# Altium PCB MB1166.PcbDoc (part 8 of 39) (continued)
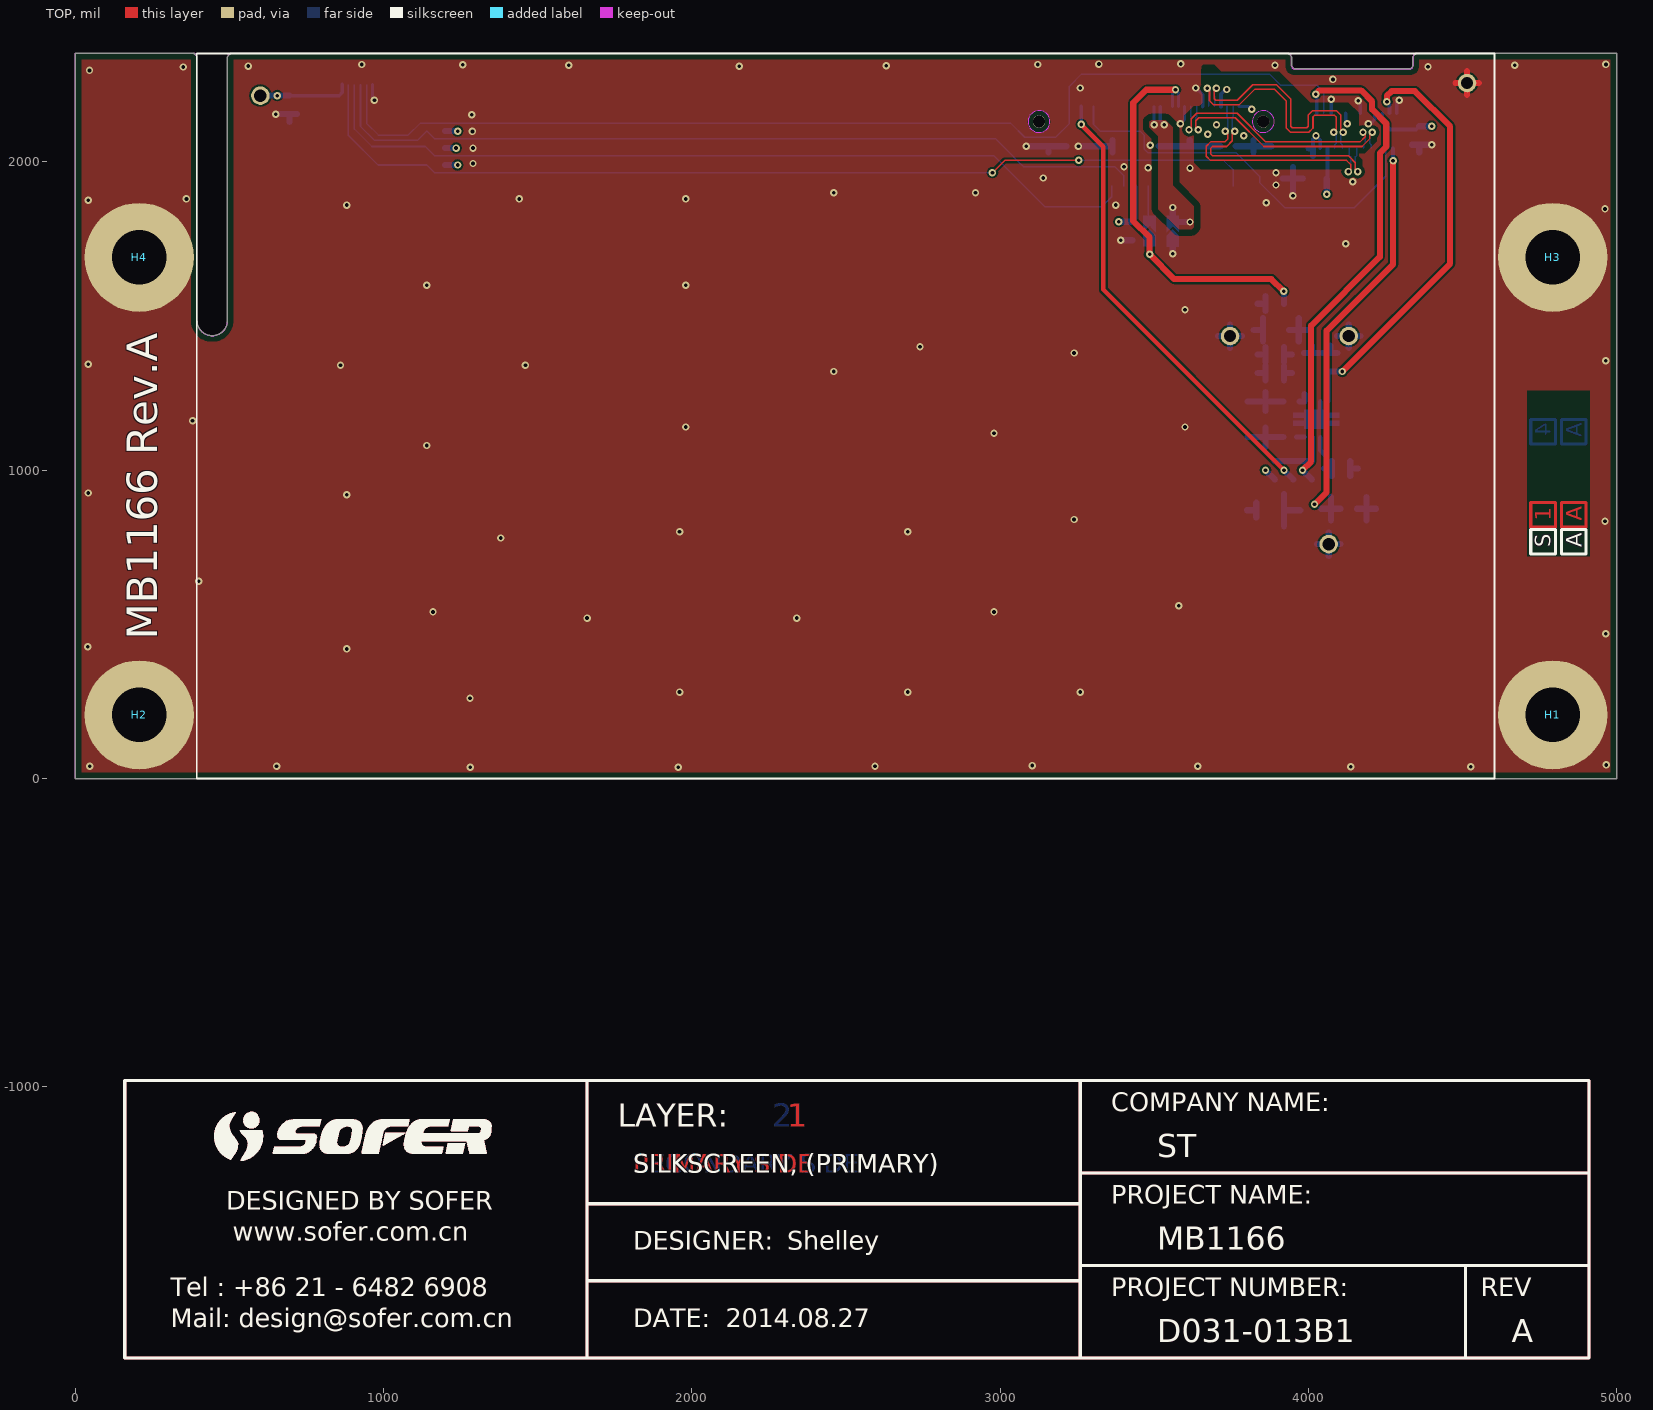
[diagram p0: TOP view]
## Nets (pads, with @x,y where several pads share a name; then routed paths per layer and width w, separated by ;. In a path a pad name is that pad's centre, name@x,y a point inside that pad or via, vN(x,y) a via of type N, cw(c..) or ccw(c..) an arc to the next point about the centre after c; other vN are vias at no path point) (continued)
; 975.03,-1111.86 975.12,-1111.81 ; 975.12,-1111.81 975.21,-1111.77 ; 975.12,-1111.81 975.21,-1111.77 ; 975.21,-1111.77 975.3,-1111.72 ; 975.21,-1111.77 975.3,-1111.72 ; 975.3,-1111.72 975.39,-1111.68 ; 975.3,-1111.72 975.39,-1111.68 ; 975.39,-1111.68 975.48,-1111.63 ; 975.39,-1111.68 975.48,-1111.63 ; 975.48,-1111.63 975.57,-1111.59 ; 975.48,-1111.63 975.57,-1111.59 ; 975.57,-1111.59 975.66,-1111.54 ; 975.57,-1111.59 975.66,-1111.54 ; 975.66,-1111.54 975.84,-1111.46 ; 975.66,-1111.54 975.84,-1111.46 ; 975.84,-1111.46 975.93,-1111.41 ; 975.84,-1111.46 975.93,-1111.41 ; 975.93,-1111.41 976.2,-1111.29 ; 975.93,-1111.41 976.2,-1111.29 ; 976.2,-1111.29 976.29,-1111.24 ; 976.2,-1111.29 976.29,-1111.24 ; 976.29,-1111.24 976.74,-1111.04 ; 976.29,-1111.24 976.74,-1111.04 ; 976.74,-1111.04 976.84,-1111 ; 976.74,-1111.04 976.84,-1111 ; 976.84,-1111 977.29,-1110.8 ; 976.84,-1111 977.29,-1110.8 ; 977.29,-1110.8 977.39,-1110.76 ; 977.29,-1110.8 977.39,-1110.76 ; 977.39,-1110.76 977.57,-1110.68 ; 977.39,-1110.76 977.57,-1110.68 ; 977.57,-1110.68 977.66,-1110.65 ; 977.57,-1110.68 977.66,-1110.65 ; 977.66,-1110.65 977.76,-1110.61 ; 977.66,-1110.65 977.76,-1110.61 ; 977.76,-1110.61 978.03,-1110.49 ; 977.76,-1110.61 978.03,-1110.49 ; 978.03,-1110.49 978.13,-1110.46 ; 978.03,-1110.49 978.13,-1110.46 ; 978.13,-1110.46 978.31,-1110.38 ; 978.13,-1110.46 978.31,-1110.38 ; 978.31,-1110.38 978.41,-1110.35 ; 978.31,-1110.38 978.41,-1110.35 ; 978.41,-1110.35 978.5,-1110.31 ; 978.41,-1110.35 978.5,-1110.31 ; 978.5,-1110.31 978.59,-1110.28 ; 978.5,-1110.31 978.59,-1110.28 ; 978.59,-1110.28 978.69,-1110.24 ; 978.59,-1110.28 978.69,-1110.24 ; 978.69,-1110.24 978.78,-1110.21 ; 978.69,-1110.24 978.78,-1110.21 ; 978.78,-1110.21 978.87,-1110.17 ; 978.78,-1110.21 978.87,-1110.17 ; 978.87,-1110.17 978.97,-1110.14 ; 978.87,-1110.17 978.97,-1110.14 ; 978.97,-1110.14 979.06,-1110.1 ; 978.97,-1110.14 979.06,-1110.1 ; 979.06,-1110.1 979.15,-1110.07 ; 979.06,-1110.1 979.15,-1110.07 ; 979.15,-1110.07 979.25,-1110.03 ; 979.15,-1110.07 979.25,-1110.03 ; 979.25,-1110.03 979.34,-1110 ; 979.25,-1110.03 979.34,-1110 ; 979.34,-1110 979.44,-1109.96 ; 979.34,-1110 979.44,-1109.96 ; 979.44,-1109.96 979.53,-1109.93 ; 979.44,-1109.96 979.53,-1109.93 ; 979.53,-1109.93 979.63,-1109.9 ; 979.53,-1109.93 979.63,-1109.9 ; 979.63,-1109.9 979.72,-1109.86 ; 979.63,-1109.9 979.72,-1109.86 ; 979.72,-1109.86 979.81,-1109.83 ; 979.72,-1109.86 979.81,-1109.83 ; 979.81,-1109.83 979.91,-1109.8 ; 979.81,-1109.83 979.91,-1109.8 ; 979.91,-1109.8 980,-1109.77 ; 979.91,-1109.8 980,-1109.77 ; 980,-1109.77 980.1,-1109.73 ; 980,-1109.77 980.1,-1109.73 ; 980.1,-1109.73 980.19,-1109.7 ; 980.1,-1109.73 980.19,-1109.7 ; 980.19,-1109.7 980.29,-1109.67 ; 980.19,-1109.7 980.29,-1109.67 ; 980.29,-1109.67 980.38,-1109.64 ; 980.29,-1109.67 980.38,-1109.64 ; 980.38,-1109.64 980.48,-1109.61 ; 980.38,-1109.64 980.48,-1109.61 ; 980.48,-1109.61 980.57,-1109.58 ; 980.48,-1109.61 980.57,-1109.58 ; 980.57,-1109.58 980.67,-1109.55 ; 980.57,-1109.58 980.67,-1109.55 ; 980.67,-1109.55 980.76,-1109.51 ; 980.67,-1109.55 980.76,-1109.51 ; 980.76,-1109.51 980.86,-1109.48 ; 980.76,-1109.51 980.86,-1109.48 ; 980.86,-1109.48 980.95,-1109.45 ; 980.86,-1109.48 980.95,-1109.45 ; 980.95,-1109.45 981.05,-1109.42 ; 980.95,-1109.45 981.05,-1109.42 ; 981.05,-1109.42 981.14,-1109.39 ; 981.05,-1109.42 981.14,-1109.39 ; 981.14,-1109.39 981.24,-1109.36 ; 981.14,-1109.39 981.24,-1109.36 ; 981.24,-1109.36 981.33,-1109.33 ; 981.24,-1109.36 981.33,-1109.33 ; 981.33,-1109.33 981.43,-1109.31 ; 981.33,-1109.33 981.43,-1109.31 ; 981.43,-1109.31 981.53,-1109.28 ; 981.43,-1109.31 981.53,-1109.28 ; 981.53,-1109.28 981.62,-1109.25 ; 981.53,-1109.28 981.62,-1109.25 ; 981.62,-1109.25 981.72,-1109.22 ; 981.62,-1109.25 981.72,-1109.22 ; 981.72,-1109.22 981.81,-1109.19 ; 981.72,-1109.22 981.81,-1109.19 ; 981.81,-1109.19 982.01,-1109.13 ; 981.81,-1109.19 982.01,-1109.13 ; 982.01,-1109.13 982.1,-1109.11 ; 982.01,-1109.13 982.1,-1109.11 ; 982.1,-1109.11 982.2,-1109.08 ; 982.1,-1109.11 982.2,-1109.08 ; 982.2,-1109.08 982.29,-1109.05 ; 982.2,-1109.08 982.29,-1109.05 ; 982.29,-1109.05 982.49,-1108.99 ; 982.29,-1109.05 982.49,-1108.99 ; 982.49,-1108.99 982.58,-1108.97 ; 982.49,-1108.99 982.58,-1108.97 ; 982.58,-1108.97 982.68,-1108.94 ; 982.58,-1108.97 982.68,-1108.94 ; 982.68,-1108.94 982.77,-1108.91 ; 982.68,-1108.94 982.77,-1108.91 ; 982.77,-1108.91 982.87,-1108.89 ; 982.77,-1108.91 982.87,-1108.89 ; 982.87,-1108.89 982.97,-1108.86 ; 982.87,-1108.89 982.97,-1108.86 ; 982.97,-1108.86 983.06,-1108.83 ; 982.97,-1108.86 983.06,-1108.83 ; 983.06,-1108.83 983.16,-1108.81 ; 983.06,-1108.83 983.16,-1108.81 ; 983.16,-1108.81 983.26,-1108.78 ; 983.16,-1108.81 983.26,-1108.78 ; 983.26,-1108.78 983.35,-1108.75 ; 983.26,-1108.78 983.35,-1108.75 ; 983.28,-1216.23 983.34,-1215.93 ; 983.28,-1216.23 983.26,-1216.32 983.28,-1216.23 ; 983.28,-1216.23 983.34,-1215.93 ; 983.34,-1215.93 983.37,-1215.84 ; 983.34,-1215.93 983.37,-1215.84 ; 983.37,-1215.84 983.43,-1215.54 ; 983.37,-1215.84 983.43,-1215.54 ; 983.35,-1108.75 983.45,-1108.73 ; 983.35,-1108.75 983.45,-1108.73 ; 983.43,-1215.54 983.45,-1215.45 ; 983.43,-1215.54 983.45,-1215.45 ; 983.45,-1215.45 983.48,-1215.35 ; 983.45,-1215.45 983.48,-1215.35 ; 983.45,-1108.73 983.55,-1108.7 ; 983.45,-1108.73 983.55,-1108.7 ; 983.48,-1215.35 983.52,-1215.15 ; 983.48,-1215.35 983.52,-1215.15 ; 983.52,-1215.15 983.54,-1215.06 ; 983.52,-1215.15 983.54,-1215.06 ; 983.54,-1215.06 983.57,-1214.96 ; 983.54,-1215.06 983.57,-1214.96 ; 983.57,-1214.96 983.61,-1214.76 ; 983.57,-1214.96 983.61,-1214.76 ; 983.55,-1108.7 983.64,-1108.68 ; 983.55,-1108.7 983.64,-1108.68 ; 983.61,-1214.76 983.63,-1214.67 ; 983.61,-1214.76 983.63,-1214.67 ; 983.63,-1214.67 983.65,-1214.57 ; 983.63,-1214.67 983.65,-1214.57 ; 983.65,-1214.57 983.68,-1214.47 ; 983.65,-1214.57 983.68,-1214.47 ; 983.64,-1108.68 983.74,-1108.65 ; 983.64,-1108.68 983.74,-1108.65 ; 983.68,-1214.47 983.7,-1214.37 ; 983.68,-1214.47 983.7,-1214.37 ; 983.7,-1214.37 983.72,-1214.28 ; 983.7,-1214.37 983.72,-1214.28 ; 983.72,-1214.28 983.76,-1214.08 ; 983.72,-1214.28 983.76,-1214.08 ; 983.76,-1214.08 983.79,-1213.98 ; 983.76,-1214.08 983.79,-1213.98 ; 983.74,-1108.65 983.84,-1108.63 ; 983.74,-1108.65 983.84,-1108.63 ; 983.79,-1213.98 983.81,-1213.89 ; 983.79,-1213.98 983.81,-1213.89 ; 983.81,-1213.89 983.87,-1213.59 ; 983.81,-1213.89 983.87,-1213.59 ; 983.87,-1213.59 983.9,-1213.49 ; 983.87,-1213.59 983.9,-1213.49 ; 983.84,-1108.63 983.93,-1108.6 ; 983.84,-1108.63 983.93,-1108.6 ; 983.9,-1213.49 983.92,-1213.4 ; 983.9,-1213.49 983.92,-1213.4 ; 983.92,-1213.4 983.98,-1213.1 ; 983.92,-1213.4 983.98,-1213.1 ; 983.93,-1108.6 984.03,-1108.57 ; 983.93,-1108.6 984.03,-1108.57 ; 983.98,-1213.1 984.01,-1213.01 ; 983.98,-1213.1 984.01,-1213.01 ; 984.01,-1213.01 984.07,-1212.71 ; 984.01,-1213.01 984.07,-1212.71 ; 984.07,-1212.71 984.09,-1212.62 ; 984.07,-1212.71 984.09,-1212.62 ; 984.03,-1108.57 984.13,-1108.55 ; 984.03,-1108.57 984.13,-1108.55 ; 984.09,-1212.62 984.12,-1212.52 ; 984.09,-1212.62 984.12,-1212.52 ; 984.12,-1212.52 984.16,-1212.32 ; 984.12,-1212.52 984.16,-1212.32 ; 984.16,-1212.32 984.18,-1212.23 ; 984.16,-1212.32 984.18,-1212.23 ; 984.13,-1108.55 984.22,-1108.52 ; 984.13,-1108.55 984.22,-1108.52 ; 984.18,-1212.23 984.22,-1212.03 ; 984.18,-1212.23 984.22,-1212.03 ; 984.22,-1212.03 984.25,-1211.93 ; 984.22,-1212.03 984.25,-1211.93 ; 984.22,-1108.52 984.32,-1108.5 ; 984.22,-1108.52 984.32,-1108.5 ; 984.25,-1211.93 984.27,-1211.84 ; 984.25,-1211.93 984.27,-1211.84 ; 984.27,-1211.84 984.33,-1211.54 ; 984.27,-1211.84 984.33,-1211.54 ; 984.32,-1108.5 984.42,-1108.47 ; 984.32,-1108.5 984.42,-1108.47 ; 984.33,-1211.54 984.36,-1211.45 ; 984.33,-1211.54 984.36,-1211.45 ; 984.36,-1211.45 984.42,-1211.15 ; 984.36,-1211.45 984.42,-1211.15 ; 984.42,-1211.15 984.44,-1211.06 ; 984.42,-1211.15 984.44,-1211.06 ; 984.42,-1108.47 984.51,-1108.45 ; 984.42,-1108.47 984.51,-1108.45 ; 984.44,-1211.06 984.46,-1210.96 ; 984.44,-1211.06 984.46,-1210.96 ; 984.46,-1210.96 984.49,-1210.86 ; 984.46,-1210.96 984.49,-1210.86 ; 984.49,-1210.86 984.53,-1210.66 ; 984.49,-1210.86 984.53,-1210.66 ; 984.51,-1108.45 984.61,-1108.42 ; 984.51,-1108.45 984.61,-1108.42 ; 984.53,-1210.66 984.55,-1210.57 ; 984.53,-1210.66 984.55,-1210.57 ; 984.55,-1210.57 984.59,-1210.37 ; 984.55,-1210.57 984.59,-1210.37 ; 984.59,-1210.37 984.62,-1210.27 ; 984.59,-1210.37 984.62,-1210.27 ; 984.62,-1210.27 984.64,-1210.18 ; 984.62,-1210.27 984.64,-1210.18 ; 984.61,-1108.42 984.71,-1108.4 ; 984.61,-1108.42 984.71,-1108.4 ; 984.64,-1210.18 984.7,-1209.88 ; 984.64,-1210.18 984.7,-1209.88 ; 984.7,-1209.88 984.73,-1209.79 ; 984.7,-1209.88 984.73,-1209.79 ; 984.71,-1108.4 984.8,-1108.38 ; 984.71,-1108.4 984.8,-1108.38 ; 984.73,-1209.79 984.79,-1209.49 ; 984.73,-1209.79 984.79,-1209.49 ; 984.79,-1209.49 984.81,-1209.4 ; 984.79,-1209.49 984.81,-1209.4 ; 984.81,-1209.4 984.85,-1209.2 ; 984.81,-1209.4 984.85,-1209.2 ; 984.8,-1108.38 984.9,-1108.35 ; 984.8,-1108.38 984.9,-1108.35 ; 984.85,-1209.2 984.88,-1209.1 ; 984.85,-1209.2 984.88,-1209.1 ; 984.88,-1209.1 984.9,-1209.01 ; 984.88,-1209.1 984.9,-1209.01 ; 984.9,-1209.01 984.98,-1208.61 ; 984.9,-1209.01 984.98,-1208.61 ; 984.9,-1108.35 985,-1108.33 ; 984.9,-1108.35 985,-1108.33 ; 984.98,-1208.61 985.01,-1208.52 ; 984.98,-1208.61 985.01,-1208.52 ; 985.01,-1208.52 985.07,-1208.22 ; 985.01,-1208.52 985.07,-1208.22 ; 985,-1108.33 985.1,-1108.3 ; 985,-1108.33 985.1,-1108.3 ; 985.07,-1208.22 985.09,-1208.13 ; 985.07,-1208.22 985.09,-1208.13 ; 985.09,-1208.13 985.11,-1208.03 ; 985.09,-1208.13 985.11,-1208.03 ; 985.11,-1208.03 985.14,-1207.93 ; 985.11,-1208.03 985.14,-1207.93 ; 985.1,-1108.3 985.19,-1108.28 ; 985.1,-1108.3 985.19,-1108.28 ; 985.14,-1207.93 985.16,-1207.83 ; 985.14,-1207.93 985.16,-1207.83 ; 985.16,-1207.83 985.18,-1207.74 ; 985.16,-1207.83 985.18,-1207.74 ; 985.18,-1207.74 985.24,-1207.44 ; 985.18,-1207.74 985.24,-1207.44 ; 985.19,-1108.28 985.29,-1108.25 ; 985.19,-1108.28 985.29,-1108.25 ; 985.24,-1207.44 985.26,-1207.35 ; 985.24,-1207.44 985.26,-1207.35 ; 985.26,-1207.35 985.29,-1207.25 ; 985.26,-1207.35 985.29,-1207.25 ; 985.29,-1207.25 985.35,-1206.95 ; 985.29,-1207.25 985.35,-1206.95 ; 985.29,-1108.25 985.39,-1108.23 ; 985.29,-1108.25 985.39,-1108.23 ; 985.35,-1206.95 985.37,-1206.86 ; 985.35,-1206.95 985.37,-1206.86 ; 985.37,-1206.86 985.39,-1206.76 ; 985.37,-1206.86 985.39,-1206.76 ; 985.39,-1206.76 985.42,-1206.66 ; 985.39,-1206.76 985.42,-1206.66 ; 985.42,-1206.66 985.44,-1206.56 ; 985.42,-1206.66 985.44,-1206.56 ; 985.39,-1108.23 985.48,-1108.21 ; 985.39,-1108.23 985.48,-1108.21 ; 985.44,-1206.56 985.46,-1206.47 ; 985.44,-1206.56 985.46,-1206.47 ; 985.46,-1206.47 985.52,-1206.17 ; 985.46,-1206.47 985.52,-1206.17 ; 985.52,-1206.17 985.54,-1206.08 ; 985.52,-1206.17 985.54,-1206.08 ; 985.48,-1108.21 985.58,-1108.18 ; 985.48,-1108.21 985.58,-1108.18 ; 985.54,-1206.08 985.57,-1205.98 ; 985.54,-1206.08 985.57,-1205.98 ; 985.57,-1205.98 985.61,-1205.78 ; 985.57,-1205.98 985.61,-1205.78 ; 985.61,-1205.78 985.63,-1205.69 ; 985.61,-1205.78 985.63,-1205.69 ; 985.58,-1108.18 985.68,-1108.16 ; 985.58,-1108.18 985.68,-1108.16 ; 985.63,-1205.69 985.67,-1205.49 ; 985.63,-1205.69 985.67,-1205.49 ; 985.67,-1205.49 985.7,-1205.39 ; 985.67,-1205.49 985.7,-1205.39 ; 985.7,-1205.39 985.72,-1205.29 ; 985.7,-1205.39 985.72,-1205.29 ; 985.72,-1205.29 985.74,-1205.2 ; 985.72,-1205.29 985.74,-1205.2 ; 985.68,-1108.16 985.77,-1108.13 ; 985.68,-1108.16 985.77,-1108.13 ; 985.74,-1205.2 985.8,-1204.9 ; 985.74,-1205.2 985.8,-1204.9 ; 985.77,-1108.13 985.97,-1108.09 ; 985.77,-1108.13 985.97,-1108.09 ; 985.8,-1204.9 985.82,-1204.81 ; 985.8,-1204.9 985.82,-1204.81 ; 985.82,-1204.81 985.85,-1204.71 ; 985.82,-1204.81 985.85,-1204.71 ; 985.85,-1204.71 985.89,-1204.51 ; 985.85,-1204.71 985.89,-1204.51 ; 985.89,-1204.51 985.91,-1204.42 ; 985.89,-1204.51 985.91,-1204.42 ; 985.91,-1204.42 985.95,-1204.22 ; 985.91,-1204.42 985.95,-1204.22 ; 985.96,-1204.21 973.82,-1216.34 985.96,-1204.21 ; 985.95,-1204.22 985.98,-1204.12 ; 985.95,-1204.22 985.98,-1204.12 ; 985.97,-1108.09 986.07,-1108.06 ; 985.97,-1108.09 986.07,-1108.06 ; 985.98,-1204.12 986,-1204.03 ; 985.98,-1204.12 986,-1204.03 ; 986,-1204.03 986.08,-1203.63 ; 986,-1204.03 986.08,-1203.63 ; 986.07,-1108.06 986.16,-1108.04 ; 986.07,-1108.06 986.16,-1108.04 ; 986.08,-1203.63 986.11,-1203.54 ; 986.08,-1203.63 986.11,-1203.54 ; 986.11,-1203.54 986.17,-1203.24 ; 986.11,-1203.54 986.17,-1203.24 ; 986.17,-1203.24 986.19,-1203.15 ; 986.17,-1203.24 986.19,-1203.15 ; 986.16,-1108.04 986.26,-1108.02 ; 986.16,-1108.04 986.26,-1108.02 ; 986.19,-1203.15 986.23,-1202.95 ; 986.19,-1203.15 986.23,-1202.95 ; 986.23,-1202.95 986.26,-1202.85 ; 986.23,-1202.95 986.26,-1202.85 ; 986.26,-1202.85 986.28,-1202.76 ; 986.26,-1202.85 986.28,-1202.76 ; 986.26,-1108.02 986.36,-1107.99 ; 986.26,-1108.02 986.36,-1107.99 ; 986.28,-1202.76 986.34,-1202.46 ; 986.28,-1202.76 986.34,-1202.46 ; 986.34,-1202.46 986.36,-1202.37 ; 986.34,-1202.46 986.36,-1202.37 ; 986.36,-1202.37 986.39,-1202.27 ; 986.36,-1202.37 986.39,-1202.27 ; 986.36,-1107.99 986.45,-1107.97 ; 986.36,-1107.99 986.45,-1107.97 ; 986.39,-1202.27 986.45,-1201.97 ; 986.39,-1202.27 986.45,-1201.97 ; 986.45,-1201.97 986.47,-1201.88 ; 986.45,-1201.97 986.47,-1201.88 ; 986.47,-1201.88 986.49,-1201.78 ; 986.47,-1201.88 986.49,-1201.78 ; 986.45,-1107.97 986.55,-1107.94 ; 986.45,-1107.97 986.55,-1107.94 ; 986.49,-1201.78 986.52,-1201.68 ; 986.49,-1201.78 986.52,-1201.68 ; 986.52,-1201.68 986.54,-1201.58 ; 986.52,-1201.68 986.54,-1201.58 ; 986.54,-1201.58 986.56,-1201.49 ; 986.54,-1201.58 986.56,-1201.49 ; 986.56,-1201.49 986.62,-1201.19 ; 986.56,-1201.49 986.62,-1201.19 ; 986.55,-1107.94 986.75,-1107.9 ; 986.55,-1107.94 986.75,-1107.9 ; 986.62,-1201.19 986.65,-1201.1 ; 986.62,-1201.19 986.65,-1201.1 ; 986.65,-1201.1 986.71,-1200.8 ; 986.65,-1201.1 986.71,-1200.8 ; 986.71,-1200.8 986.73,-1200.71 ; 986.71,-1200.8 986.73,-1200.71 ; 986.73,-1200.71 986.75,-1200.61 ; 986.73,-1200.71 986.75,-1200.61 ; 986.75,-1200.61 986.78,-1200.51 ; 986.75,-1200.61 986.78,-1200.51 ; 986.75,-1107.9 986.84,-1107.87 ; 986.75,-1107.9 986.84,-1107.87 ; 986.78,-1200.51 986.8,-1200.41 ; 986.78,-1200.51 986.8,-1200.41 ; 986.8,-1200.41 986.82,-1200.32 ; 986.8,-1200.41 986.82,-1200.32 ; 986.82,-1200.32 986.86,-1200.12 ; 986.82,-1200.32 986.86,-1200.12 ; 986.86,-1200.12 986.89,-1200.02 ; 986.86,-1200.12 986.89,-1200.02 ; 986.84,-1107.87 987.04,-1107.83 ; 986.84,-1107.87 987.04,-1107.83 ; 986.89,-1200.02 986.91,-1199.92 ; 986.89,-1200.02 986.91,-1199.92 ; 986.91,-1199.92 986.93,-1199.83 ; 986.91,-1199.92 986.93,-1199.83 ; 986.93,-1199.83 986.99,-1199.53 ; 986.93,-1199.83 986.99,-1199.53 ; 986.99,-1199.53 987.02,-1199.44 ; 986.99,-1199.53 987.02,-1199.44 ; 987.02,-1199.44 987.08,-1199.14 ; 987.02,-1199.44 987.08,-1199.14 ; 987.04,-1107.83 987.14,-1107.8 ; 987.04,-1107.83 987.14,-1107.8 ; 987.08,-1199.14 987.1,-1199.05 ; 987.08,-1199.14 987.1,-1199.05 ; 987.1,-1199.05 987.13,-1198.95 ; 987.1,-1199.05 987.13,-1198.95 ; 987.13,-1198.95 987.17,-1198.75 ; 987.13,-1198.95 987.17,-1198.75 ; 987.17,-1198.75 987.19,-1198.66 ; 987.17,-1198.75 987.19,-1198.66 ; 987.14,-1107.8 987.23,-1107.78 ; 987.14,-1107.8 987.23,-1107.78 ; 987.19,-1198.66 987.21,-1198.56 ; 987.19,-1198.66 987.21,-1198.56 ; 987.21,-1198.56 987.24,-1198.46 ; 987.21,-1198.56 987.24,-1198.46 ; 987.24,-1198.44 969.33,-1216.34 987.24,-1198.44 ; 987.24,-1198.46 987.26,-1198.36 ; 987.24,-1198.46 987.26,-1198.36 ; 987.26,-1198.36 987.28,-1198.27 ; 987.26,-1198.36 987.28,-1198.27 ; 987.23,-1107.78 987.43,-1107.74 ; 987.23,-1107.78 987.43,-1107.74 ; 987.28,-1198.27 987.32,-1198.07 ; 987.28,-1198.27 987.32,-1198.07 ; 987.32,-1198.07 987.35,-1197.97 ; 987.32,-1198.07 987.35,-1197.97 ; 987.35,-1197.97 987.37,-1197.88 ; 987.35,-1197.97 987.37,-1197.88 ; 987.37,-1197.88 987.43,-1197.58 ; 987.37,-1197.88 987.43,-1197.58 ; 987.43,-1197.58 987.46,-1197.49 ; 987.43,-1197.58 987.46,-1197.49 ; 987.46,-1197.49 987.52,-1197.19 ; 987.46,-1197.49 987.52,-1197.19 ; 987.43,-1107.74 987.52,-1107.71 ; 987.43,-1107.74 987.52,-1107.71 ; 987.52,-1197.19 987.54,-1197.1 ; 987.52,-1197.19 987.54,-1197.1 ; 987.52,-1107.71 987.72,-1107.67 ; 987.52,-1107.71 987.72,-1107.67 ; 987.54,-1197.1 987.57,-1197 ; 987.54,-1197.1 987.57,-1197 ; 987.57,-1197 987.61,-1196.8 ; 987.57,-1197 987.61,-1196.8 ; 987.61,-1196.8 987.63,-1196.71 ; 987.61,-1196.8 987.63,-1196.71 ; 987.63,-1196.71 987.65,-1196.61 ; 987.63,-1196.71 987.65,-1196.61 ; 987.65,-1196.61 987.68,-1196.51 ; 987.65,-1196.61 987.68,-1196.51 ; 987.68,-1196.51 987.7,-1196.41 ; 987.68,-1196.51 987.7,-1196.41 ; 987.7,-1196.41 987.72,-1196.32 ; 987.7,-1196.41 987.72,-1196.32 ; 987.72,-1196.32 987.74,-1196.22 ; 987.72,-1196.32 987.74,-1196.22 ; 987.72,-1107.67 987.82,-1107.64 ; 987.72,-1107.67 987.82,-1107.64 ; 987.74,-1196.22 987.77,-1196.12 ; 987.74,-1196.22 987.77,-1196.12 ; 987.77,-1196.12 987.79,-1196.02 ; 987.77,-1196.12 987.79,-1196.02 ; 987.79,-1196.02 987.81,-1195.93 ; 987.79,-1196.02 987.81,-1195.93 ; 987.81,-1195.93 987.83,-1195.83 ; 987.81,-1195.93 987.83,-1195.83 ; 987.82,-1107.64 987.91,-1107.62 ; 987.82,-1107.64 987.91,-1107.62 ; 987.83,-1195.83 987.86,-1195.73 ; 987.83,-1195.83 987.86,-1195.73 ; 987.86,-1195.73 987.88,-1195.63 ; 987.86,-1195.73 987.88,-1195.63 ; 987.88,-1195.63 987.9,-1195.54 ; 987.88,-1195.63 987.9,-1195.54 ; 987.9,-1195.53 967.09,-1216.34 987.9,-1195.53 ; 987.9,-1195.54 987.92,-1195.44 ; 987.9,-1195.54 987.92,-1195.44 ; 987.92,-1195.44 987.95,-1195.34 ; 987.92,-1195.44 987.95,-1195.34 ; 987.91,-1107.62 988.11,-1107.58 ; 987.91,-1107.62 988.11,-1107.58 ; 987.95,-1195.34 987.97,-1195.24 ; 987.95,-1195.34 987.97,-1195.24 ; 987.97,-1195.24 987.99,-1195.15 ; 987.97,-1195.24 987.99,-1195.15 ; 987.99,-1195.15 988.03,-1194.95 ; 987.99,-1195.15 988.03,-1194.95 ; 988.03,-1194.95 988.06,-1194.85 ; 988.03,-1194.95 988.06,-1194.85 ; 988.06,-1194.85 988.08,-1194.76 ; 988.06,-1194.85 988.08,-1194.76 ; 988.08,-1194.76 988.12,-1194.56 ; 988.08,-1194.76 988.12,-1194.56 ; 988.12,-1194.56 988.15,-1194.46 ; 988.12,-1194.56 988.15,-1194.46 ; 988.11,-1107.58 988.21,-1107.55 ; 988.11,-1107.58 988.21,-1107.55 ; 988.15,-1194.46 988.17,-1194.37 ; 988.15,-1194.46 988.17,-1194.37 ; 988.17,-1194.37 988.19,-1194.27 ; 988.17,-1194.37 988.19,-1194.27 ; 988.19,-1194.27 988.22,-1194.17 ; 988.19,-1194.27 988.22,-1194.17 ; 988.22,-1194.17 988.24,-1194.07 ; 988.22,-1194.17 988.24,-1194.07 ; 988.21,-1107.55 988.3,-1107.53 ; 988.21,-1107.55 988.3,-1107.53 ; 988.24,-1194.07 988.26,-1193.98 ; 988.24,-1194.07 988.26,-1193.98 ; 988.26,-1193.98 988.28,-1193.88 ; 988.26,-1193.98 988.28,-1193.88 ; 988.28,-1193.88 988.31,-1193.78 ; 988.28,-1193.88 988.31,-1193.78 ; 988.31,-1193.78 988.33,-1193.68 ; 988.31,-1193.78 988.33,-1193.68 ; 988.3,-1107.53 988.4,-1107.51 ; 988.3,-1107.53 988.4,-1107.51 ; 988.33,-1193.68 988.35,-1193.59 ; 988.33,-1193.68 988.35,-1193.59 ; 988.35,-1193.59 988.37,-1193.49 ; 988.35,-1193.59 988.37,-1193.49 ; 988.37,-1193.49 988.4,-1193.39 ; 988.37,-1193.49 988.4,-1193.39 ; 988.4,-1193.39 988.42,-1193.3 ; 988.4,-1193.39 988.42,-1193.3 ; 988.42,-1193.3 988.44,-1193.2 ; 988.42,-1193.3 988.44,-1193.2 ; 988.4,-1107.51 988.5,-1107.48 ; 988.4,-1107.51 988.5,-1107.48 ; 988.44,-1193.2 988.47,-1193.1 ; 988.44,-1193.2 988.47,-1193.1 ; 988.47,-1193.1 988.49,-1193 ; 988.47,-1193.1 988.49,-1193 ; 988.49,-1193 988.51,-1192.91 ; 988.49,-1193 988.51,-1192.91 ; 988.51,-1192.91 988.53,-1192.81 ; 988.51,-1192.91 988.53,-1192.81 ; 988.5,-1107.48 988.6,-1107.46 ; 988.5,-1107.48 988.6,-1107.46 ; 988.53,-1192.81 988.56,-1192.71 ; 988.53,-1192.81 988.56,-1192.71 ; 988.56,-1192.71 988.58,-1192.61 ; 988.56,-1192.71 988.58,-1192.61 ; 988.58,-1192.6 964.84,-1216.34 988.58,-1192.6 ; 988.58,-1192.61 988.6,-1192.52 ; 988.58,-1192.61 988.6,-1192.52 ; 988.6,-1192.52 988.63,-1192.42 ; 988.6,-1192.52 988.63,-1192.42 ; 988.6,-1107.46 988.69,-1107.44 ; 988.6,-1107.46 988.69,-1107.44 ; 988.63,-1192.42 988.67,-1192.22 ; 988.63,-1192.42 988.67,-1192.22 ; 988.67,-1192.22 988.69,-1192.13 ; 988.67,-1192.22 988.69,-1192.13 ; 988.69,-1192.13 988.72,-1192.03 ; 988.69,-1192.13 988.72,-1192.03 ; 988.72,-1192.03 988.74,-1191.93 ; 988.72,-1192.03 988.74,-1191.93 ; 988.69,-1107.44 988.89,-1107.4 ; 988.69,-1107.44 988.89,-1107.4 ; 988.74,-1191.93 988.76,-1191.84 ; 988.74,-1191.93 988.76,-1191.84 ; 988.76,-1191.84 988.79,-1191.74 ; 988.76,-1191.84 988.79,-1191.74 ; 988.79,-1191.74 988.83,-1191.54 ; 988.79,-1191.74 988.83,-1191.54 ; 988.83,-1191.54 988.86,-1191.45 ; 988.83,-1191.54 988.86,-1191.45 ; 988.86,-1191.45 988.9,-1191.25 ; 988.86,-1191.45 988.9,-1191.25 ; 988.9,-1191.25 988.93,-1191.15 ; 988.9,-1191.25 988.93,-1191.15 ; 988.89,-1107.4 988.99,-1107.37 ; 988.89,-1107.4 988.99,-1107.37 ; 988.93,-1191.15 988.95,-1191.06 ; 988.93,-1191.15 988.95,-1191.06 ; 988.95,-1191.06 988.97,-1190.96 ; 988.95,-1191.06 988.97,-1190.96 ; 988.97,-1190.96 989,-1190.86 ; 988.97,-1190.96 989,-1190.86 ; 989,-1190.86 989.02,-1190.77 ; 989,-1190.86 989.02,-1190.77 ; 989.02,-1190.77 989.04,-1190.67 ; 989.02,-1190.77 989.04,-1190.67 ; 988.99,-1107.37 989.08,-1107.35 ; 988.99,-1107.37 989.08,-1107.35 ; 989.04,-1190.67 989.07,-1190.57 ; 989.04,-1190.67 989.07,-1190.57 ; 989.07,-1190.57 989.09,-1190.47 ; 989.07,-1190.57 989.09,-1190.47 ; 989.09,-1190.47 989.11,-1190.38 ; 989.09,-1190.47 989.11,-1190.38 ; 989.11,-1190.38 989.14,-1190.28 ; 989.11,-1190.38 989.14,-1190.28 ; 989.08,-1107.35 989.28,-1107.31 ; 989.08,-1107.35 989.28,-1107.31 ; 989.14,-1190.28 989.18,-1190.08 ; 989.14,-1190.28 989.18,-1190.08 ; 989.18,-1190.08 989.21,-1189.99 ; 989.18,-1190.08 989.21,-1189.99 ; 989.21,-1189.99 989.25,-1189.79 ; 989.21,-1189.99 989.25,-1189.79 ; 989.25,-1189.79 989.28,-1189.7 ; 989.25,-1189.79 989.28,-1189.7 ; 989.28,-1189.7 989.32,-1189.5 ; 989.28,-1189.7 989.32,-1189.5 ; 989.32,-1189.5 989.35,-1189.4 ; 989.32,-1189.5 989.35,-1189.4 ; 989.28,-1107.31 989.38,-1107.28 ; 989.28,-1107.31 989.38,-1107.28 ; 989.35,-1189.4 989.37,-1189.31 ; 989.35,-1189.4 989.37,-1189.31 ; 989.37,-1189.31 989.4,-1189.21 ; 989.37,-1189.31 989.4,-1189.21 ; 989.4,-1189.21 989.42,-1189.11 ; 989.4,-1189.21 989.42,-1189.11 ; 989.42,-1189.11 989.44,-1189.02 ; 989.42,-1189.11 989.44,-1189.02 ; 989.38,-1107.28 989.47,-1107.26 ; 989.38,-1107.28 989.47,-1107.26 ; 989.44,-1189.02 989.47,-1188.92 ; 989.44,-1189.02 989.47,-1188.92 ; 989.47,-1188.92 989.51,-1188.72 ; 989.47,-1188.92 989.51,-1188.72 ; 989.47,-1107.26 989.77,-1107.2 ; 989.47,-1107.26 989.77,-1107.2 ; 989.51,-1188.72 989.54,-1188.63 ; 989.51,-1188.72 989.54,-1188.63 ; 989.54,-1188.63 989.58,-1188.43 ; 989.54,-1188.63 989.58,-1188.43 ; 989.58,-1188.43 989.61,-1188.34 ; 989.58,-1188.43 989.61,-1188.34 ; 989.61,-1188.34 989.63,-1188.24 ; 989.61,-1188.34 989.63,-1188.24 ; 989.63,-1188.24 989.66,-1188.14 ; 989.63,-1188.24 989.66,-1188.14 ; 989.66,-1188.14 989.68,-1188.04 ; 989.66,-1188.14 989.68,-1188.04 ; 989.68,-1188.04 989.7,-1187.95 ; 989.68,-1188.04 989.7,-1187.95 ; 989.7,-1187.95 989.73,-1187.85 ; 989.7,-1187.95 989.73,-1187.85 ; 989.73,-1187.85 989.75,-1187.75 ; 989.73,-1187.85 989.75,-1187.75 ; 989.75,-1187.75 989.77,-1187.66 ; 989.75,-1187.75 989.77,-1187.66 ; 989.77,-1187.66 989.8,-1187.56 ; 989.77,-1187.66 989.8,-1187.56 ; 989.77,-1107.2 989.86,-1107.18 ; 989.77,-1107.2 989.86,-1107.18 ; 989.8,-1187.56 989.84,-1187.36 ; 989.8,-1187.56 989.84,-1187.36 ; 989.84,-1187.36 989.87,-1187.27 ; 989.84,-1187.36 989.87,-1187.27 ; 989.87,-1187.27 989.89,-1187.17 ; 989.87,-1187.27 989.89,-1187.17 ; 989.86,-1107.18 989.96,-1107.15 ; 989.86,-1107.18 989.96,-1107.15 ; 989.89,-1187.17 989.92,-1187.07 ; 989.89,-1187.17 989.92,-1187.07 ; 989.92,-1187.07 989.94,-1186.98 ; 989.92,-1187.07 989.94,-1186.98 ; 989.94,-1186.98 989.96,-1186.88 ; 989.94,-1186.98 989.96,-1186.88 ; 989.96,-1186.88 989.99,-1186.78 ; 989.96,-1186.88 989.99,-1186.78 ; 989.96,-1107.15 990.16,-1107.11 ; 989.96,-1107.15 990.16,-1107.11 ; 989.99,-1186.78 990.01,-1186.68 ; 989.99,-1186.78 990.01,-1186.68 ; 990.01,-1186.69 960.35,-1216.34 990.01,-1186.69 ; 990.01,-1186.68 990.03,-1186.59 ; 990.01,-1186.68 990.03,-1186.59 ; 990.03,-1186.59 990.06,-1186.49 ; 990.03,-1186.59 990.06,-1186.49 ; 990.06,-1186.49 990.08,-1186.39 ; 990.06,-1186.49 990.08,-1186.39 ; 990.08,-1186.39 990.11,-1186.3 ; 990.08,-1186.39 990.11,-1186.3 ; 990.11,-1186.3 990.15,-1186.1 ; 990.11,-1186.3 990.15,-1186.1 ; 990.15,-1186.1 990.18,-1186 ; 990.15,-1186.1 990.18,-1186 ; 990.16,-1107.11 990.25,-1107.09 ; 990.16,-1107.11 990.25,-1107.09 ; 990.18,-1186 990.2,-1185.91 ; 990.18,-1186 990.2,-1185.91 ; 990.2,-1185.91 990.22,-1185.81 ; 990.2,-1185.91 990.22,-1185.81 ; 990.22,-1185.81 990.25,-1185.71 ; 990.22,-1185.81 990.25,-1185.71 ; 990.25,-1185.71 990.27,-1185.62 ; 990.25,-1185.71 990.27,-1185.62 ; 990.27,-1185.62 990.3,-1185.52 ; 990.27,-1185.62 990.3,-1185.52 ; 990.25,-1107.09 990.55,-1107.03 ; 990.25,-1107.09 990.55,-1107.03 ; 990.3,-1185.52 990.34,-1185.32 ; 990.3,-1185.52 990.34,-1185.32 ; 990.34,-1185.32 990.37,-1185.23 ; 990.34,-1185.32 990.37,-1185.23 ; 990.37,-1185.23 990.41,-1185.03 ; 990.37,-1185.23 990.41,-1185.03 ; 990.41,-1185.03 990.44,-1184.94 ; 990.41,-1185.03 990.44,-1184.94 ; 990.44,-1184.94 990.48,-1184.74 ; 990.44,-1184.94 990.48,-1184.74 ; 990.48,-1184.74 990.51,-1184.64 ; 990.48,-1184.74 990.51,-1184.64 ; 990.51,-1184.64 990.53,-1184.55 ; 990.51,-1184.64 990.53,-1184.55 ; 990.53,-1184.55 990.56,-1184.45 ; 990.53,-1184.55 990.56,-1184.45 ; 990.56,-1184.45 990.58,-1184.35 ; 990.56,-1184.45 990.58,-1184.35 ; 990.55,-1107.03 990.65,-1107 ; 990.55,-1107.03 990.65,-1107 ; 990.58,-1184.35 990.6,-1184.26 ; 990.58,-1184.35 990.6,-1184.26 ; 990.6,-1184.26 990.63,-1184.16 ; 990.6,-1184.26 990.63,-1184.16 ; 990.63,-1184.16 990.67,-1183.96 ; 990.63,-1184.16 990.67,-1183.96 ; 990.67,-1183.96 990.7,-1183.87 ; 990.67,-1183.96 990.7,-1183.87 ; 990.65,-1107 990.74,-1106.98 ; 990.65,-1107 990.74,-1106.98 ; 990.7,-1183.87 990.74,-1183.67 ; 990.7,-1183.87 990.74,-1183.67 ; 990.74,-1183.67 990.77,-1183.57 ; 990.74,-1183.67 990.77,-1183.57 ; 990.77,-1183.57 990.79,-1183.48 ; 990.77,-1183.57 990.79,-1183.48 ; 990.74,-1106.98 991.04,-1106.92 ; 990.74,-1106.98 991.04,-1106.92 ; 990.79,-1183.48 990.81,-1183.38 ; 990.79,-1183.48 990.81,-1183.38 ; 990.81,-1183.38 990.84,-1183.28 ; 990.81,-1183.38 990.84,-1183.28 ; 990.84,-1183.28 990.86,-1183.19 ; 990.84,-1183.28 990.86,-1183.19 ; 990.86,-1183.19 990.89,-1183.09 ; 990.86,-1183.19 990.89,-1183.09 ; 990.89,-1183.09 990.93,-1182.89 ; 990.89,-1183.09 990.93,-1182.89 ; 990.93,-1182.89 990.96,-1182.8 ; 990.93,-1182.89 990.96,-1182.8 ; 990.96,-1182.8 991,-1182.6 ; 990.96,-1182.8 991,-1182.6 ; 991,-1182.6 991.03,-1182.51 ; 991,-1182.6 991.03,-1182.51 ; 991.03,-1182.51 991.07,-1182.31 ; 991.03,-1182.51 991.07,-1182.31 ; 991.07,-1182.31 991.1,-1182.21 ; 991.07,-1182.31 991.1,-1182.21 ; 991.04,-1106.92 991.13,-1106.9 ; 991.04,-1106.92 991.13,-1106.9 ; 991.1,-1182.21 991.12,-1182.12 ; 991.1,-1182.21 991.12,-1182.12 ; 991.12,-1182.12 991.14,-1182.02 ; 991.12,-1182.12 991.14,-1182.02 ; 991.14,-1182.02 991.17,-1181.92 ; 991.14,-1182.02 991.17,-1181.92 ; 991.17,-1181.92 991.19,-1181.82 ; 991.17,-1181.92 991.19,-1181.82 ; 991.13,-1106.9 991.53,-1106.82 ; 991.13,-1106.9 991.53,-1106.82 ; 991.19,-1181.82 991.21,-1181.73 ; 991.19,-1181.82 991.21,-1181.73 ; 991.21,-1181.73 991.24,-1181.63 ; 991.21,-1181.73 991.24,-1181.63 ; 991.24,-1181.63 991.26,-1181.53 ; 991.24,-1181.63 991.26,-1181.53 ; 991.26,-1181.53 991.28,-1181.44 ; 991.26,-1181.53 991.28,-1181.44 ; 991.28,-1181.44 991.3,-1181.34 ; 991.28,-1181.44 991.3,-1181.34 ; 991.3,-1181.34 991.33,-1181.24 ; 991.3,-1181.34 991.33,-1181.24 ; 991.33,-1181.24 991.35,-1181.14 ; 991.33,-1181.24 991.35,-1181.14 ; 991.35,-1181.14 991.37,-1181.05 ; 991.35,-1181.14 991.37,-1181.05 ; 991.37,-1181.05 991.4,-1180.95 ; 991.37,-1181.05 991.4,-1180.95 ; 991.4,-1180.95 991.44,-1180.75 ; 991.4,-1180.95 991.44,-1180.75 ; 991.44,-1180.77 955.86,-1216.34 991.44,-1180.77 ; 991.44,-1180.75 991.47,-1180.66 ; 991.44,-1180.75 991.47,-1180.66